# Altium PCB PCB1.PcbDoc (part 2 of 2)
Units mm, origin at the board's own origin, x right, y up, seen from the top; angles counter-clockwise.
Board outline 144.8 x 85 mm, 2 copper layers (Top Layer, Bottom Layer); 173 components, 129 nets, 564 pads, 369 vias.
Unrouted connection lines stored in the file: 2.
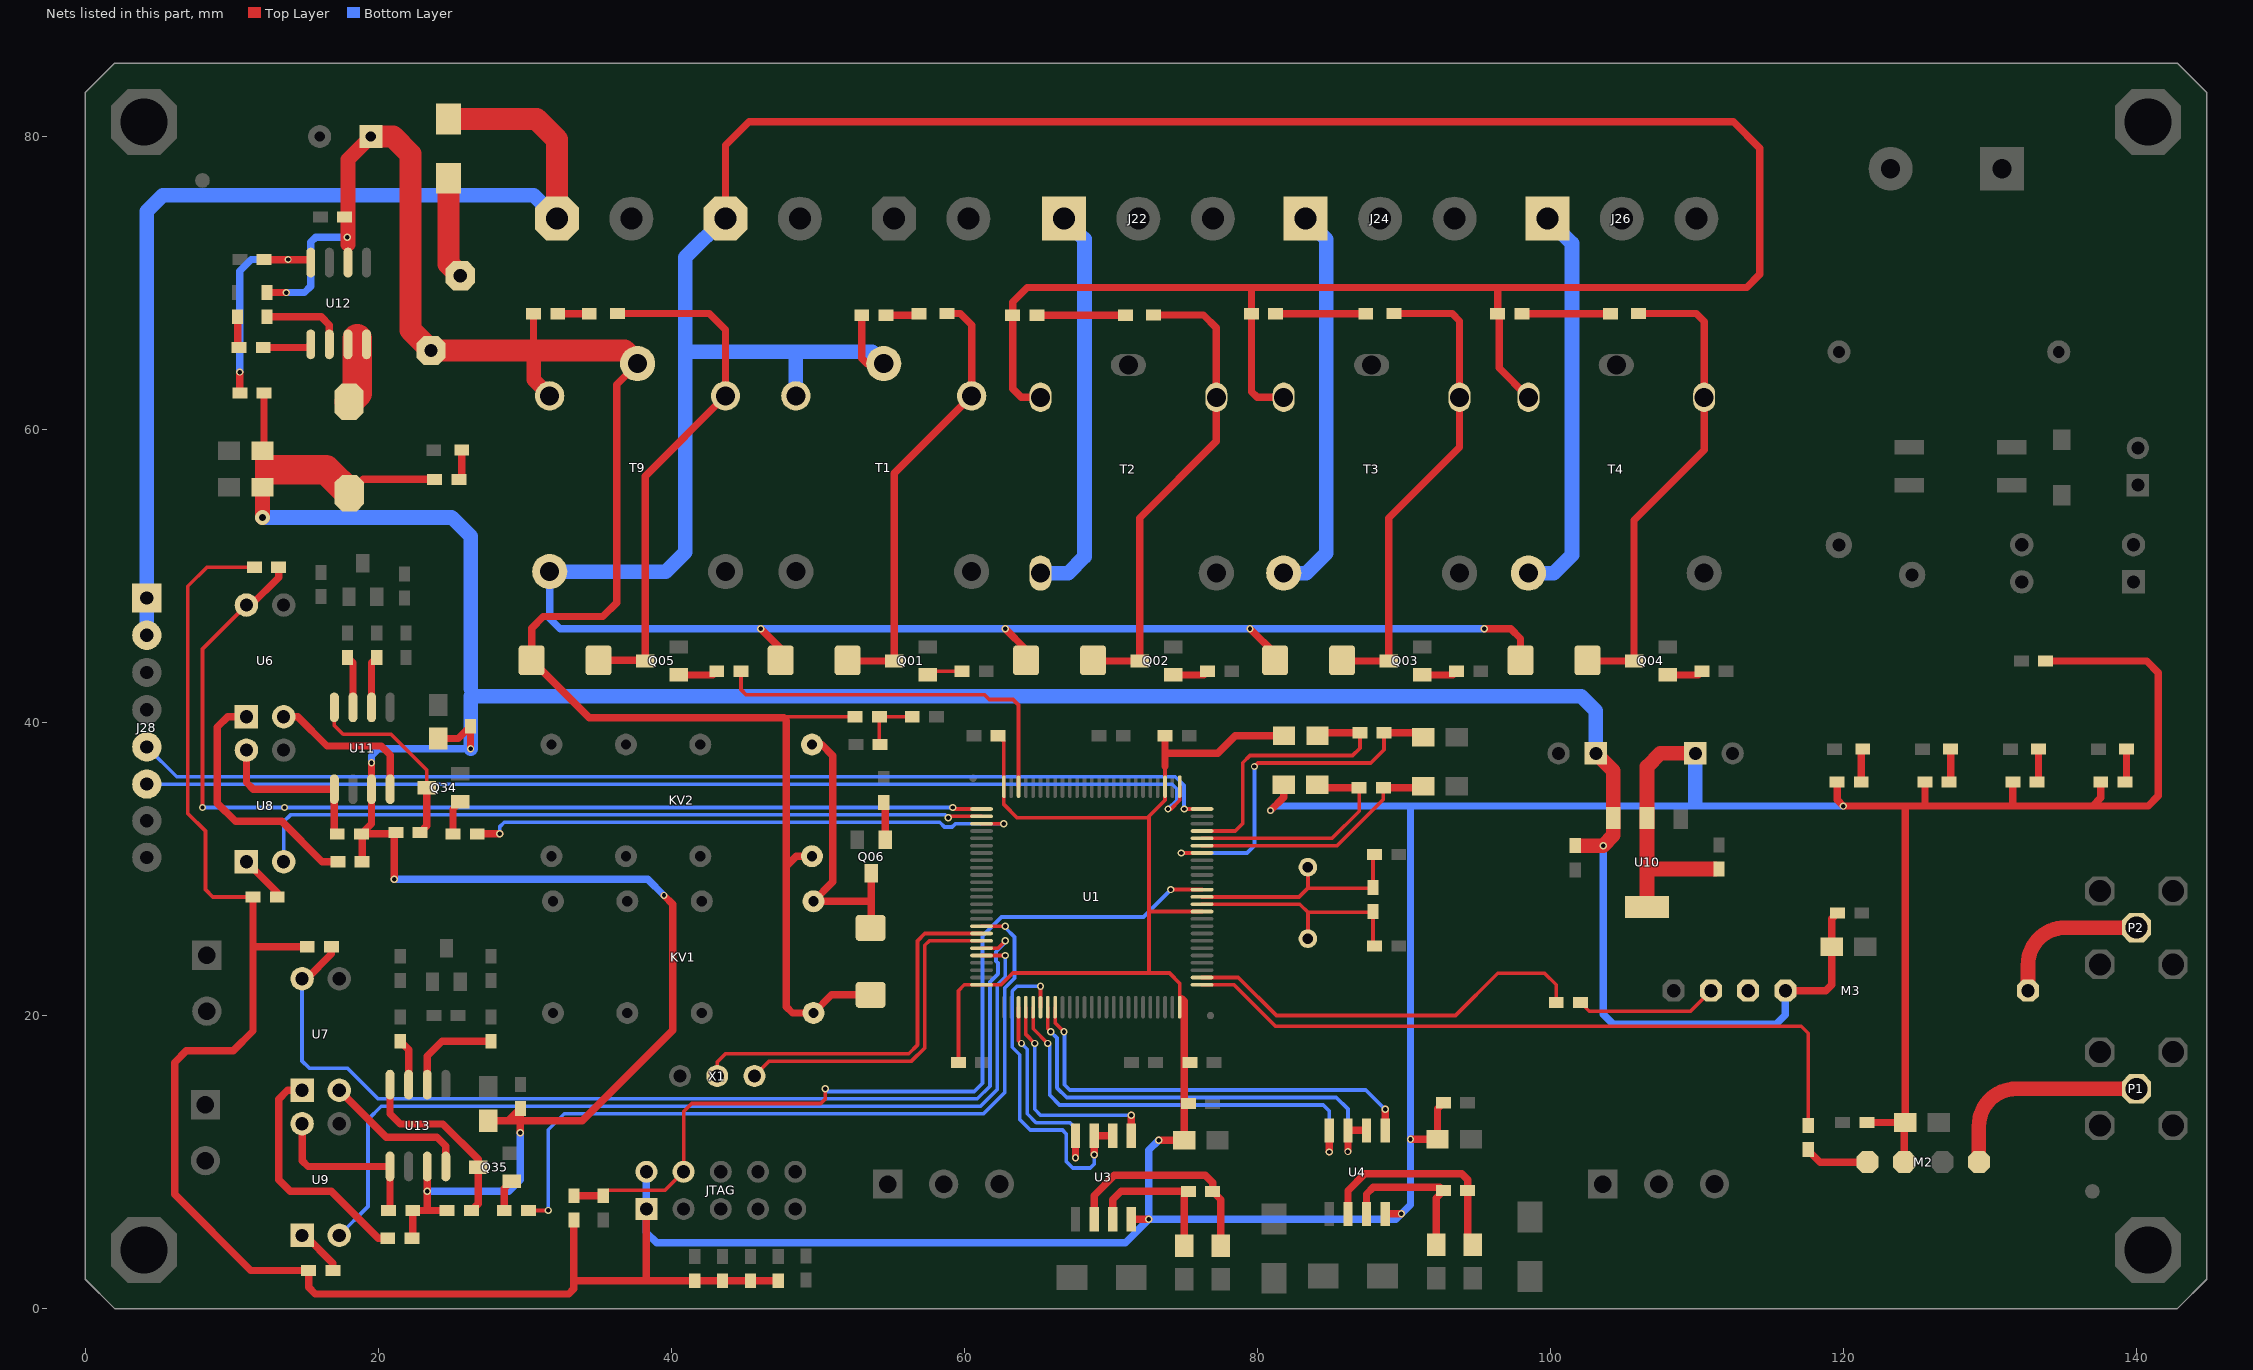
[diagram p2: the nets of this part, all layers, seen from the top]

## Via types
v1: diameter 0.5, hole 0.3, Top Layer to Bottom Layer, tented both sides, 368 vias
v2: diameter 1, hole 0.5, Top Layer to Bottom Layer, tented both sides, 1 vias

## Nets (pads, with @x,y where several pads share a name; then routed paths per layer and width w, separated by ;. In a path a pad name is that pad's centre, name@x,y a point inside that pad or via, vN(x,y) a via of type N, cw(c..) or ccw(c..) an arc to the next point about the centre after c; other vN are vias at no path point) (continued)
NetC8_1: C8.1 L1.2 U1.20 | length 17.1
  Top Layer w0.254: U1.20@76.225,31.6 85.45,31.6 88.6,34.75 C8.1@88.6,35.55
  Top Layer w0.5: C8.1@88.6,35.55 L1.2@91.214,35.55
NetC8_2: C8.2 L2.2 U1.21 | length 16
  Top Layer w0.254: U1.21@76.225,32.1 85.1,32.1 86.949,33.949 C8.2@86.949,35.55
  Top Layer w0.5: L2.2@84.086,35.75 84.286,35.55 C8.2@86.949,35.55
NetC13_1: C13.1 L3.1 U1.22 | length 19.6
  Top Layer w0.254: U1.22@76.225,32.6 78.492,32.6 79,33.108 79,37.25 79.5,37.75 86.5,37.75 87,38.25 C13.1@87,39.3
  Top Layer w0.5: L3.1@84.1,39.1 84.3,39.3 C13.1@87,39.3
NetC13_2: C13.2 L4.2 U1.19 | length 24.9
  Top Layer w0.254: v1(74.8,31.1) U1.19@76.225,31.1 ; v1(79.8,37) 80.042,37.242 87.742,37.242 88.651,38.151 C13.2@88.651,39.3
  Top Layer w0.5: C13.2@88.651,39.3 L4.2@91.014,39.3
  Bottom Layer w0.254: v1(74.8,31.1) 79.3,31.1 79.8,31.6 v1(79.8,37)
NetC44_1: C44.1 R120.2 | length 2
  Top Layer w0.5: R120.2@10.4,65.699 C44.1@10.4,67.7
NetD2_1: D2.1 R5.2 | length 2.3
  Top Layer w0.5: R5.2@121.221,35.95 121.221,38.101 D2.1@121.32,38.2
NetD3_1: D3.1 R6.2 | length 2.3
  Top Layer w0.5: R6.2@127.221,35.95 127.32,36.049 D3.1@127.32,38.2
NetD4_1: D4.1 R7.2 | length 2.3
  Top Layer w0.5: R7.2@133.221,35.95 133.32,36.049 D4.1@133.32,38.2
NetD05_1: D05.1 KV1.1 KV2.1 Q06.3 | length 19.9
  Top Layer w0.5: KV2.1@49.6,38.5 50.273,38.5 51.029,37.744 51.029,29.129 KV1.1@49.7,27.8 50.495,27.8 53.582,27.8 ; D05.1@53.6,25.986 53.648,26.033 Q06.3@53.648,29.714
NetD5_1: D5.1 R8.2 | length 2.3
  Top Layer w0.5: R8.2@139.221,35.95 139.32,36.049 D5.1@139.32,38.2
NetD15_1: D15.1 R01.2 | length 2.1
  Top Layer w0.5: R01.2@32.251,67.9 D15.1@34.4,67.9
NetD16_1: D16.1 R101.2 | length 2.1
  Top Layer w0.5: R101.2@54.651,67.8 D16.1@56.8,67.8
NetD17_1: D17.1 R102.2 | length 6
  Top Layer w0.5: R102.2@64.951,67.8 D17.1@71,67.8
NetD18_1: D18.1 R103.2 | length 6.1
  Top Layer w0.5: R103.2@81.251,67.9 D18.1@87.4,67.9
NetD19_1: D19.1 R104.2 | length 6
  Top Layer w0.5: R104.2@98.051,67.9 D19.1@104.1,67.9
NetD23_2: D23.2 F5.1 | length 7
  Top Layer w1.5: D23.2@24.8,77.15 24.8,71.3 F5.1@25.6,70.5
NetD24_1: D24.1 R131.1 | length 2.1
  Top Layer w0.5: R131.1@25.5,56.6 25.7,56.8 D24.1@25.7,58.6
NetF1_1: F1.1 R95.2 U3.6 | length 15
  Top Layer w0.5: U3.6@68.86,6.1 68.86,7.722 70.231,9.093 76.454,9.093 76.951,8.596 R95.2@76.951,8 77.5,7.451 F1.1@77.5,4.3
NetF2_1: F2.1 R95.1 U3.7 | length 10.6
  Top Layer w0.5: U3.7@70.13,6.1 70.13,7.442 70.688,8 R95.1@75.3,8 75,7.7 F2.1@75,4.3
NetF3_1: F3.1 R96.1 U4.7 | length 10.8
  Top Layer w0.5: U4.7@87.452,6.467 87.452,7.823 87.909,8.28 92.47,8.28 R96.1@92.7,8.05 92.2,7.55 F3.1@92.2,4.35
NetF4_1: F4.1 R96.2 U4.6 | length 15
  Top Layer w0.5: U4.6@86.182,6.467 86.182,8.052 87.325,9.195 93.955,9.195 94.351,8.798 R96.2@94.351,8.05 94.351,4.699 F4.1@94.7,4.35
NetL5_1: L5.1 U12.7 U12.8 | length 4.6
  Top Layer w2: L5.1@18,61.9 18.567,62.467 18.567,66.218
NetM2_1: M2.1 P1.1 | length 14.7
  Top Layer w1: M2.1@129.25,10 129.25,12.46 cw(c131.79,12.46) 131.79,15 P1.1@140,15
NetM2_4: M2.4 R03.2 | length 4.4
  Top Layer w0.5: R03.2@117.576,10.825 118.4,10 M2.4@121.65,10
NetM3_1: M3.1 P2.1 | length 10.6
  Top Layer w1: M3.1@132.6,21.7 132.6,23.46 cw(c135.14,23.46) 135.14,26 P2.1@140,26
NetM3_3: M3.3 M3.4 R04.2 | length 9.7
  Top Layer w0.254: R04.2@102.051,20.9 102.651,20.3 109.56,20.3 M3.4@110.96,21.7
NetQ01_1: Q01.1 R09.2 | length 2.5
  Top Layer w0.254: Q01.1@57.5,43.25 57.75,43.5 R09.2@59.849,43.5
NetQ02_1: Q02.1 R06.2 | length 2.5
  Top Layer w0.5: Q02.1@74.25,43.25 76.349,43.25 R06.2@76.599,43.5
NetQ03_1: Q03.1 R07.2 | length 2.5
  Top Layer w0.5: Q03.1@91.25,43.25 93.349,43.25 R07.2@93.599,43.5
NetQ04_1: Q04.1 R08.2 | length 2.5
  Top Layer w0.5: Q04.1@108,43.25 110.099,43.25 R08.2@110.349,43.5
NetQ05_1: Q05.1 R02.2 | length 2.7
  Top Layer w0.5: Q05.1@40.5,43.25 42.849,43.25 R02.2@43.099,43.5
NetQ06_1: Q06.1 R51.2 | length 2.6
  Top Layer w0.5: R51.2@54.5,34.549 54.6,34.449 Q06.1@54.6,32
NetQ34_1: Q34.1 R113.1 | length 2.4
  Top Layer w0.5: R113.1@25.1,32.4 25.1,34.1 Q34.1@25.6,34.6
NetQ34_3: Q34.3 R118.2 U11.8 | length 13.3
  Top Layer w0.254: U11.8@17,41.038 17,39.8 17.6,39.2 20.871,39.2 23.314,36.757 Q34.3@23.314,35.552
  Top Layer w0.5: R118.2@22.851,32.5 23.314,32.963 Q34.3@23.314,35.552
NetQ35_1: Q35.1 R115.1 | length 2.2
  Top Layer w0.5: R115.1@28.6,6.7 28.6,8.2 Q35.1@29.1,8.7
NetQ35_3: Q35.3 R121.2 U13.8 | length 13
  Top Layer w0.5: U13.8@20.8,15.288 20.8,13.3 21.5,12.6 24.4,12.6 26.814,10.186 Q35.3@26.814,9.653 26.814,7.163 R121.2@26.351,6.7
NetR99_1: R99.1 R100.2 R105.2 | length 4.1
  Top Layer w0.254: R100.2@54.2,38.551 R99.1@54.2,40.4 R105.2@56.449,40.4
NetR111_1: R111.1 U8.1 | length 3.3
  Top Layer w0.5: U8.1@11,30.5 13.1,28.4 R111.1@13.1,28.1
NetR114_1: R114.1 U9.1 | length 3.4
  Top Layer w0.5: U9.1@14.8,5 15,5 16.9,3.1 R114.1@16.9,2.6
NetR116_2: R116.2 U12.6 | length 5.8
  Top Layer w0.5: R116.2@12.4,67.699 16.101,67.699 16.66,67.14 U12.6@16.66,65.812
NetR117_2: R117.2 U6.1 | length 17.4
  Top Layer w0.5: U6.1@11,40.4 9.717,40.4 9.017,39.7 9.017,34.493 10.25,33.26 13.4,33.26 16.16,30.5 R117.2@17.249,30.5
NetR119_2: R119.2 U7.1 | length 16.5
  Top Layer w0.5: U7.1@14.8,14.9 13.8,14.9 13.2,14.3 13.2,8.8 14,8 16.8,8 20,4.8 R119.2@20.649,4.8
NetR120_1: R120.1 U12.5 | length 3.3
  Top Layer w0.5: R120.1@12.15,65.6 15.178,65.6 U12.5@15.39,65.812
NetR122_1: R122.1 U8.4 U11.1 | length 11.5
  Top Layer w0.5: U8.4@11,38.12 11,35.914 11.464,35.45 U11.1@17,35.45 17,32.6 R122.1@17.2,32.4
NetR123_1: R123.1 U9.4 U13.1 | length 11.7
  Top Layer w0.5: U9.4@14.8,12.62 14.8,10.1 15.2,9.7 U13.1@20.8,9.7 20.8,6.8 R123.1@20.7,6.7
NetR124_1: R124.1 R125.2 U12.4 | length 15.2
  Top Layer w0.5: R125.2@10.549,62.5 v1(10.549,63.924) ; R124.1@12.2,71.6 15.19,71.6 U12.4@15.39,71.4
  Bottom Layer w0.5: v1(10.549,63.924) 10.549,70.823 11.328,71.603 v1(13.843,71.603)
NetR126_2: R126.2 U11.7 | length 3.6
  Top Layer w0.5: R126.2@17.9,44.449 18.27,44.079 U11.7@18.27,41.038
NetR127_2: R127.2 U11.6 | length 3.6
  Top Layer w0.5: U11.6@19.54,41.038 19.54,44.089 R127.2@19.9,44.449
NetR128_2: R128.2 U13.7 | length 3.2
  Top Layer w0.5: R128.2@21.5,18.249 22.07,17.679 U13.7@22.07,15.288
NetR129_2: R129.2 U13.6 | length 6.7
  Top Layer w0.5: U13.6@23.34,15.288 23.34,17.24 24.349,18.249 R129.2@27.7,18.249
NetU6_2: U6.2 U11.4 | length 10.7
  Top Layer w0.5: U6.2@13.54,40.4 14.5,40.4 16.5,38.4 20.2,38.4 20.81,37.79 U11.4@20.81,35.45
NetU7_2: U7.2 U13.4 | length 10.2
  Top Layer w0.5: U7.2@17.34,14.9 20.54,11.7 24.01,11.7 24.61,11.1 U13.4@24.61,9.7
NO2: J22.1 T2.2 | length 27.1
  Bottom Layer w1: T2.2@65.2,50.2 67.091,50.2 68.199,51.308 68.199,73.001 J22.1@66.8,74.4
NO3: J24.1 T3.2 | length 26.9
  Bottom Layer w1: T3.2@81.8,50.2 83.347,50.2 84.709,51.562 84.709,72.991 J24.1@83.3,74.4
NO4: J26.1 T4.2 | length 27.1
  Bottom Layer w1: T4.2@98.5,50.2 100.238,50.2 101.473,51.435 101.473,72.727 J26.1@99.8,74.4
OSC_IN: C2.1 R1.1 U1.12 Y1.1 | length 16
  Top Layer w0.254: U1.12@76.225,27.6 82.9,27.6 83.45,27.05 ; Y1.1@83.45,25.25 83.45,27.05 ; R1.1@87.85,27.05 83.45,27.05 ; R1.1@87.9,27.1 87.9,24.85 C2.1@88,24.75
OSC_OUT: C3.1 R1.2 U1.13 Y1.2 | length 15.6
  Top Layer w0.254: U1.13@76.225,28.1 82.85,28.1 83.45,28.7 ; Y1.2@83.45,30.13 83.45,28.7 ; R1.2@87.849,28.7 83.45,28.7 ; R1.2@87.9,28.751 87.9,30.9 C3.1@88,31
OUT1: D01.1 D16.2 Q01.3 T1.5 | length 30.3
  Top Layer w0.5: D01.1@52.084,44.202 Q01.3@55.214,44.202 55.214,57.014 T1.5@60.5,62.3 60.5,67.135 59.719,67.916 D16.2@58.815,67.916
  Top Layer w1: D01.1@52.036,44.25 D01.1@52.084,44.202
OUT2: D02.1 D17.2 Q02.3 T2.5 | length 32.7
  Top Layer w0.5: D02.1@68.833,44.202 Q02.3@71.964,44.202 71.964,53.964 77.2,59.2 T2.5@77.2,62.2 77.2,66.945 76.329,67.816 D17.2@72.915,67.816
OUT3: D03.1 D18.2 Q03.3 T3.5 | length 33
  Top Layer w0.5: D03.1@85.834,44.202 Q03.3@88.964,44.202 88.964,53.964 93.8,58.8 T3.5@93.8,62.2 93.8,67.414 93.298,67.916 D18.2@89.315,67.916
OUT4: D04.1 D19.2 Q04.3 T4.5 | length 33.1
  Top Layer w0.5: D04.1@102.536,44.25 102.584,44.202 Q04.3@105.714,44.202 105.714,53.814 110.5,58.6 T4.5@110.5,62.2 110.5,67.376 109.96,67.916 D19.2@106.015,67.916
OUT5: D07.1 D15.2 Q05.3 T9.5 | length 35.9
  Top Layer w0.5: D07.1@35.036,44.25 Q05.3@38.166,44.25 ; D15.2@36.315,67.916 42.599,67.916 43.7,66.815 T9.5@43.7,62.3 38.214,56.814 Q05.3@38.214,44.202
"PA2  USART2_TX": J28.5 U1.25 | length 74.7
  Top Layer w0.254: v1(75,34.1) U1.25@76.225,34.1
  Bottom Layer w0.254: J28.5@4.2,38.34 6.24,36.3 74.4,36.3 75,35.7 v1(75,34.1)
"PA3  USART2_RX": J28.6 U1.26 | length 74
  Top Layer w0.254: v1(73.9,34.1) 74.1,34.1 74.7,34.7 U1.26@74.7,35.625
  Bottom Layer w0.254: J28.6@4.2,35.8 4.208,35.792 74.19,35.792 74.492,35.49 74.492,34.692 v1(73.9,34.1)
"PA9  USART1_TX": U1.68 X1.2 | length 26.8
  Top Layer w0.254: X1.2@43.136,15.876 43.136,16.836 43.7,17.4 56.2,17.4 56.8,18 56.8,25.1 57.3,25.6 U1.68@61.175,25.6
"PA10  USART1_RX": U1.69 X1.3 | length 23.4
  Top Layer w0.254: X1.3@45.676,15.876 46.692,16.892 56.4,16.892 57.3,17.792 57.3,24.8 57.6,25.1 U1.69@61.175,25.1
"PA11  CAN1_RX": R112.1 U1.70 U7.4 | length 69.5
  Top Layer w0.254: U1.70@61.175,24.6 62.3,24.6 v1(62.8,25.1)
  Top Layer w0.5: U7.4@14.8,22.52 15.12,22.52 16.8,24.2 R112.1@16.8,24.7
  Bottom Layer w0.254: U7.4@14.8,22.52 14.8,16.9 15.3,16.4 17.9,16.4 19.984,14.316 60.89,14.316 61.745,15.171 61.745,22.3 62.292,22.847 62.292,23.593 62.169,23.716 62.169,24.361 62.8,24.992 v1(62.8,25.1)
"PA12  CAN1_TX": U1.71 U9.2 | length 63.5
  Top Layer w0.254: U1.71@61.175,24.1 v1(62.8,24.1)
  Bottom Layer w0.254: U9.2@17.34,5 19.3,6.96 19.3,12.9 20.208,13.808 61.1,13.808 62.253,14.961 62.253,22.09 62.8,22.637 v1(62.8,24.1)
"PB12  CAN2_RX": R110.1 U1.51 U6.4 | length 72
  Top Layer w0.254: v1(8,34.2) 8,45.02 U6.4@11,48.02 ; v1(59.2,34.2) 59.3,34.1 U1.51@61.175,34.1
  Top Layer w0.5: U6.4@11,48.02 11.317,48.02 13.2,49.903 R110.1@13.2,50.6
  Bottom Layer w0.254: v1(8,34.2) v1(13.6,34.2) v1(59.2,34.2)
"PB13  CAN2_TX": U1.52 U8.2 | length 50.6
  Top Layer w0.254: v1@58.9,33.6 U1.52@61.175,33.6
  Bottom Layer w0.254: U8.2@13.54,30.5 13.54,33.24 14,33.7 58.7,33.7 v1(58.9,33.5)
"PC10  UART4_TX": U1.78 U3.4 | length 14.7
  Top Layer w0.254: U1.78@63.7,20.575 63.7,18.3 v1(63.9,18.1)
  Top Layer w0.5: v1(67.59,10.3) U3.4@67.59,11.8
  Bottom Layer w0.254: v1(63.9,18.1) 64.292,17.708 64.292,13.3 64.9,12.692 67.208,12.692 67.59,12.31 v1(67.59,10.3)
"PC11  UART4_RX": U1.79 U3.1 | length 15.4
  Top Layer w0.254: U1.79@64.2,20.575 64.2,18.7 v1(64.8,18.1)
  Top Layer w0.5: U3.1@71.4,11.8 v1(71.4,13.2)
  Bottom Layer w0.254: v1(64.8,18.1) 64.8,13.6 65.2,13.2 v1(71.4,13.2)
"PC12  UART5_TX": U1.80 U4.4 | length 30.3
  Top Layer w0.254: U1.80@64.7,20.575 64.7,19.1 v1(65.7,18.1)
  Top Layer w0.5: v1(84.912,10.688) U4.4@84.912,12.167
  Bottom Layer w0.254: v1(65.7,18.1) 65.823,17.977 65.823,14.577 66.5,13.9 84.5,13.9 84.912,13.488 v1(84.912,10.688)
"PD2  UART5_RX": U1.83 U4.1 | length 29.6
  Top Layer w0.254: U1.83@66.2,20.575 66.2,19.5 v1(66.8,18.9)
  Top Layer w0.5: U4.1@88.722,12.167 v1(88.722,13.6)
  Bottom Layer w0.254: v1(66.8,18.9) 66.839,18.861 66.839,15.277 67.2,14.916 87.406,14.916 v1(88.722,13.6)
POWER+12V: D01.2 D02.2 D03.2 D04.2 J02.1 R101.1 R102.1 R103.1 R104.1 T1.1 T1.4 T2.4 T3.4 T4.4 T9.2 | length 298.2
  Top Layer w0.5: J02.1@43.7,74.4 43.7,79.4 45.3,81 112.5,81 114.3,79.2 114.3,70.6 113.4,69.7 64.3,69.7 63.3,68.7 R102.1@63.3,67.8 63.3,62.786 63.886,62.2 T2.4@65.2,62.2 ; v1(46.1,46.4) 47.464,45.036 D01.2@47.464,44.25 D01.2@47.464,44.154 ; R101.1@53,67.8 53,64.856 53.356,64.5 T1.1@54.5,64.5 ; v1(62.8,46.4) 64.214,44.986 D02.2@64.214,44.25 D02.2@64.214,44.092 ; v1(79.5,46.4) 81.214,44.686 D03.2@81.214,44.25 ; 79.6,69.6 R103.1@79.6,67.9 79.6,62.589 79.989,62.2 T3.4@81.8,62.2 ; v1(95.484,46.4) 97.3,46.4 97.964,45.736 D04.2@97.964,44.25 ; 96.4,69.5 R104.1@96.4,67.9 96.5,67.8 96.5,64.2 T4.4@98.5,62.2
  Bottom Layer w0.5: T9.2@31.7,50.3 31.7,47.1 32.4,46.4 v1(46.1,46.4) v1(62.8,46.4) v1(79.5,46.4) v1(95.484,46.4)
  Bottom Layer w1: T9.2@31.7,50.3 39.607,50.3 40.945,51.638 40.945,65.303 ; J02.1@43.7,74.5 40.945,71.745 40.945,65.303 ; T1.4@48.5,62.3 48.5,65.162 ; T1.1@54.5,64.5 53.697,65.303 40.945,65.303
POWER/ON/OFF: R02.1 U1.48 | length 26.2
  Top Layer w0.254: R02.1@44.75,43.5 44.75,42.25 45.1,41.9 61.38,41.9 61.7,41.58 63.322,41.58 63.7,41.202 U1.48@63.7,35.625
PX.Y1: R115.2 U1.67 | length 52.6
  Top Layer w0.254: R115.2@30.251,6.7 v1(31.6,6.7) ; U1.67@61.175,26.1 v1(62.8,26.1)
  Bottom Layer w0.254: v1(31.6,6.7) 31.6,12.2 32.7,13.3 61.31,13.3 62.761,14.751 62.761,21.879 63.431,22.549 63.431,25.361 62.8,25.992 v1(62.8,26.1)
PX.Y2: R113.2 U1.53 | length 38.3
  Top Layer w0.254: U1.53@61.175,33.1 v1(62.7,33.1)
  Top Layer w0.5: R113.2@26.751,32.4 v1(28.3,32.4)
  Bottom Layer w0.254: v1(28.3,32.4) 28.3,32.9 28.592,33.192 58.316,33.192 58.639,32.869 59.161,32.869 59.392,33.1 v1(62.7,33.1)
R_DAT: R04.1 U1.2 | length 28
  Top Layer w0.254: U1.2@76.225,22.6 78.7,22.6 81.3,20 93.518,20 96.41,22.892 99.608,22.892 100.4,22.1 R04.1@100.4,20.9
RESET: C38.2 JTAG.4 R97.1 U1.14 | length 60.4
  Top Layer w0.254: C38.2@35.35,7.701 35.726,8.077 39.577,8.077 JTAG.4@40.84,9.34 40.84,13.44 41.4,14 50.2,14 50.5,14.3 v1(50.5,15) ; v1(74.1,28.6) U1.14@76.225,28.6
  Top Layer w0.5: R97.1@33.35,7.7 C38.2@35.35,7.701
  Bottom Layer w0.254: v1(50.5,15) 50.676,14.824 60.679,14.824 61.237,15.382 61.237,25.429 62.539,26.731 72.231,26.731 v1(74.1,28.6)
RS485_RE4: U1.81 U3.2 U3.3 | length 23.3
  Top Layer w0.254: U1.81@65.2,20.575 v1(65.2,22)
  Top Layer w0.5: v1(68.86,10.5) U3.3@68.86,11.8 U3.2@70.13,11.8
  Bottom Layer w0.254: v1(65.2,22) 63.6,22 63.269,21.669 63.269,17.839 63.784,17.324 63.784,12.9 64.5,12.184 66.698,12.184 66.959,11.923 66.959,10.039 67.398,9.6 68.6,9.6 68.86,9.86 v1(68.86,10.5)
RS485_RE5: U1.82 U4.2 U4.3 | length 31.8
  Top Layer w0.254: U1.82@65.7,20.575 65.7,19.1 v1(65.9,18.9)
  Top Layer w0.5: v1(86.182,10.718) U4.3@86.182,12.167 U4.2@87.452,12.167
  Bottom Layer w0.254: v1(65.9,18.9) 66.331,18.469 66.331,15.067 66.99,14.408 85.392,14.408 86.182,13.618 v1(86.182,10.718)
T_DAT: R03.1 U1.1 | length 49
  Top Layer w0.254: U1.1@76.225,22.1 78.4,22.1 81.231,19.269 117.131,19.269 117.6,18.8 R03.1@117.6,12.5
VCC: D23.1 J01.1 J28.1 J28.2 | length 71.3
  Top Layer w1.5: D23.1@24.8,81.2 30.8,81.2 32.2,79.8 J01.1@32.2,74.5
  Bottom Layer w1: J28.2@4.2,45.96 J28.1@4.2,48.5 4.2,74.9 5.3,76 30.6,76 J01.1@32.2,74.4
VCC+3.3V: C1.1 C4.1 C5.1 C9.2 C11.1 C34.1 C35.1 C36.1 C37.1 C39.1 C45.1 C46.1 JTAG.1 JTAG.2 L2.1 L3.2 M2.3 R5.1 R6.1 R7.1 R8.1 R10.1 R91.1 R92.1 R93.1 R97.2 R98.1 R110.2 R111.2 R112.2 R114.2 U1.11 U1.28 U1.50 U1.75 U1.100 U3.8 U4.8 U10.2 U10.4 | length 421.5
  Top Layer w0.254: R111.2@11.449,28.1 8.7,28.1 8.2,28.6 8.2,32.6 7,33.8 7,49.3 8.3,50.6 R110.2@11.549,50.6 ; C1.1@59.6,16.8 59.6,21.7 60,22.1 U1.75@61.175,22.1 62.5,22.1 63.3,22.9 74,22.9 74.708,22.192 U1.100@74.708,20.575 ; C5.1@62.3,39.1 62.7,38.7 U1.50@62.7,35.625 62.7,34.4 63.6,33.5 72.5,33.5 73.7,34.7 U1.28@73.7,35.625 73.7,37.24 ; 72.6,22.9 72.6,33.6 ; 72.6,27.1 U1.11@76.225,27.1
  Top Layer w0.5: R111.2@11.449,28.1 11.449,18.949 10.1,17.6 6.9,17.6 6.1,16.8 6.1,7.8 11.3,2.6 R114.2@15.249,2.6 15.249,1.451 15.7,1 33,1 33.35,1.35 R97.2@33.35,6.049 ; 11.7,24.7 R112.2@15.149,24.7 ; 33.35,1.9 R91.1@41.6,1.9 R98.1@43.5,1.9 R92.1@45.4,1.9 R93.1@47.3,1.9 ; 38.3,1.9 JTAG.1@38.3,6.8 ; U3.8@71.4,6.1 v1(72.597,6.1) ; v1(73.273,11.5) C34.1@75,11.5 75,21 74.829,21.171 ; 73.7,37 73.7,38 ; 73.7,38.7 73.7,38 ; v1(80.9,34) 81.8,34.9 L2.1@81.8,35.75 ; L3.2@81.814,39.1 78.5,39.1 77.3,37.9 73.8,37.9 73.7,38 ; U4.8@88.722,6.467 v1(89.833,6.467) ; v1(90.45,11.55) C36.1@92.3,11.55 92.3,13.65 C37.1@92.7,14.05 ; R5.1@119.57,35.95 119.57,34.73 v1(120,34.3) 137,34.3 ; C11.1@121.6,12.7 C9.2@124.15,12.7 ; M2.3@124.15,10 C9.2@124.15,12.65 ; C9.2@124.214,12.7 124.214,34.186 ; 125.57,34.43 R6.1@125.57,35.95 ; 131.57,34.33 R7.1@131.57,35.95 ; R10.1@133.8,44.2 140.7,44.2 141.5,43.4 141.5,35 140.8,34.3 137,34.3 ; R8.1@137.57,35.95 137.57,34.87 137,34.3
  Top Layer w1: U10.4@106.6,27.404 U10.2@106.6,33.5 106.6,37 107.5,37.9 C45.1@109.9,37.9 ; 106.6,30 C46.1@111.25,30
  Bottom Layer w0.5: JTAG.2@38.3,9.34 JTAG.1@38.3,6.8 38.3,5.2 39,4.5 70.997,4.5 v1(72.597,6.1) ; v1(73.273,11.5) 72.597,10.824 v1(72.597,6.1) ; v1(80.9,34) 81.2,34.3 90.45,34.3 ; v1(120,34.3) 90.45,34.3 ; v1(72.597,6.1) 89.467,6.1 v1(89.833,6.467) 90.45,7.083 v1(90.45,11.55) 90.45,34.3
  Bottom Layer w1: 109.9,34.6 C45.1@109.9,37.9
VCC+5V: C12.1 C15.1 C40.1 C42.1 C47.1 C48.2 C49.2 C50.1 C51.2 C52.2 L5.2 M3.2 R117.1 R118.1 R119.1 R121.1 R122.2 R123.2 R125.1 R131.2 U10.3 U11.3 U13.3 | length 260
  Top Layer w0.5: C50.1@12.1,58.55 12.2,58.65 R125.1@12.2,62.5 ; L5.2@18.026,55.661 18.964,56.6 R131.2@23.849,56.6 ; R117.1@18.9,30.5 R122.2@18.9,32.351 ; v1(19.54,37.26) U11.3@19.54,35.45 19.54,33.089 R122.2@18.851,32.4 R118.1@21.1,32.4 ; v1(21.1,29.3) R118.1@21.1,32.4 ; R118.1@21.2,32.5 R118.1@21.1,32.4 ; R119.1@22.351,4.851 R123.2@22.351,6.7 R121.1@24.7,6.7 ; 23.34,6.84 v1(23.34,8) U13.3@23.34,9.7 ; C48.2@24.1,38.914 25.465,38.914 C51.2@26.3,39.749 v1(26.3,38.216) ; C49.2@27.5,12.814 28.865,12.814 ; v1(29.7,12) 29.7,12.814 ; v1(39.5,28.2) 40.1,27.6 40.1,19 33.914,12.814 29.7,12.814 ; M3.2@116.04,21.7 118.8,21.7 119.2,22.1 C12.1@119.2,24.7 119.2,26.6 C15.1@119.6,27 ; 28.865,12.814 C52.2@29.7,13.649 29.7,12.814 ; 28.865,12.814 29.7,12.814
  Top Layer w1: v2(12.1,54) C47.1@12.1,56.05 C50.1@12.1,58.55 ; C42.1@102,31.6 v1(103.6,31.6) 104.3,32.3 U10.3@104.3,33.5 104.3,36.7 C40.1@103.1,37.9
  Top Layer w2: 12.7,57.252 16.436,57.252 L5.2@18.026,55.661
  Bottom Layer w0.5: v1(19.54,37.26) 19.54,37.74 20.016,38.216 v1(26.3,38.216) ; v1(21.1,29.3) 38.4,29.3 v1(39.5,28.2) ; v1(23.34,8) 28.9,8 29.7,8.8 v1(29.7,12) ; v1(103.6,31.6) 103.6,20.1 104.3,19.4 115.4,19.4 116.04,20.04 M3.2@116.04,21.7
  Bottom Layer w1: v2(12.1,54) 25,54 26.3,52.7 26.3,42.3 ; v1(26.3,38.216) 26.3,41.8 ; 26.4,41.8 102.1,41.8 103.1,40.8 C40.1@103.1,37.9
VCC+12V: C41.1 C43.1 D05.2 D07.2 F5.2 KV1.16 KV2.16 R01.1 R99.2 R116.1 T9.1 T9.4 U12.2 | length 133.1
  Top Layer w0.254: 47.9,40.4 R99.2@52.549,40.4
  Top Layer w0.5: R116.1@12.4,69.35 v1(13.724,69.35) ; U12.2@17.93,71.4 17.93,72.63 ; 30.6,65.4 R01.1@30.6,67.9 ; T9.1@37.7,64.5 36.271,63.071 36.271,48.184 35.331,47.244 31.267,47.244 30.464,46.441 D07.2@30.464,44.25 34.392,40.322 47.678,40.322 47.75,40.25 47.854,40.146 47.854,35.746 47.854,30.201 ; KV2.16@49.6,30.88 48.533,30.88 47.854,30.201 ; D05.2@53.6,21.414 50.934,21.414 KV1.16@49.7,20.18 48.273,20.18 47.854,20.599 47.854,30.201
  Top Layer w1: 17.93,72.63 17.93,78.43 C41.1@19.5,80 ; 30.6,65.4 30.6,63.4 T9.4@31.7,62.3
  Top Layer w1.5: C41.1@19.5,80 21,80 22.2,78.8 22.2,66.8 F5.2@23.6,65.4 30.6,65.4 36.8,65.4 T9.1@37.7,64.5
  Bottom Layer w0.5: v1(13.724,69.35) 14.969,69.35 15.392,69.774 15.392,72.796 15.723,73.127 v1(17.882,73.127)
pads on no net: JTAG.8 KV2.4 KV2.6 KV2.8 KV2.11 T1.3 T9.3 U1.6 U1.8 U1.9 U1.15 U1.16 U1.17 U1.18 U1.23 U1.24 U1.29 U1.30 U1.31 U1.32 U1.35 U1.36 U1.38 U1.39 U1.40 U1.41 U1.42 U1.43 U1.55 U1.56 U1.57 U1.58 U1.59 U1.60 U1.61 U1.62 U1.63 U1.64 U1.65 U1.66 U1.73 U1.84 U1.85 U1.86 U1.87 U1.88 U1.91 U1.92 U1.93 U1.95 U1.96 U1.97 U1.98 U11.5 U13.5
copper on no net: | length 18.6
  Top Layer w0.254: 21.9,44.449 22.749,43.6 27.026,43.6 28.654,41.972 28.654,35.046 v1(31.4,32.3)

## Polygon pours and split planes (outlines as drawn)
GND on Top Layer "Top Layer-No Net" (solid, pour order 2): 3,84 1,82 1,80 1,3 3,1 6,1 142,1 144,3 144,6 144,82 142,84
GND on Bottom Layer "Top Layer-No Net" (solid, pour order 4): 3,84 1,82 1,3 3,1 7,1 142,1 144,3 144,6 144,82 142,84
485_A4 on Bottom Overlay "Top Layer-No Net" (solid): 63.5,84 62.5,83 62.5,47.5 64,46 104.5,46 142.5,46 144,47.5 144,50 144,82 142,84

## Other copper
Top Layer:
  pour cut-out: 142,84 144,82 144,47 143,46 63.8,46 62.6,47.2 62.6,83.2 63.4,84
Bottom Layer:
  pour cut-out: 142,84 144,82 144,47 143,46 63.8,46 62.6,47.2 62.6,83.2 63.4,84

## Silkscreen, mask and mechanical layers (free items; w line width, h text height)
Top Overlay:
  rectangle: 14.249,57.353 21.743,60.274
  lines w0.1: 41.95,12.5 41.95,14.15 ; 44.45,12.5 44.45,14.15 ; 39.2,12.5 47.2,12.5 47.2,14.15 39.2,14.15 39.2,12.5 ; 137,62.7 137.4,62.3 142,62.3 142.4,62.7 142.4,76.8 141.9,77.3 137.5,77.3 137,76.8 137,62.7
  lines w0.15: 7,32.1 9.4,32.1 ; 7,34.6 9.4,34.6 ; 7,37.3 9.4,37.3 ; 7,40 9.4,40 ; 7,44.7 9.4,44.7 ; 10,12 12.5,12 ; 10.2,22.2 12.6,22.2 ; 34.775,69.5 34.775,72 ; 46.25,69.531 46.25,72.031 ; 56.3,10.3 56.3,12.7 ; 57.722,69.561 57.722,72.061 ; 60.2,10.3 60.2,12.7 ; 69.422,69.361 69.422,71.861 ; 74.422,69.261 74.422,71.761 ; 85.9,69.407 85.9,71.907 ; 90.9,69.407 90.9,71.907 ; 102.522,69.453 102.522,71.953 ; 105.1,10.3 105.1,12.7 ; 107.522,69.453 107.522,71.953 ; 109,10.3 109,12.7 ; 119.3,67.848 119.3,70.5 134.6,70.5 134.6,67.878 119.35,67.878 ; 127,67.9 127,70.4 ; 6.95,29.6 9.45,29.6 9.45,49.9 6.95,49.9 6.95,29.6 ; 10.05,7.7 12.55,7.7 12.55,16.228 10.05,16.228 10.05,7.7 ; 10.15,18 10.15,26.428 12.65,26.428 12.65,18 10.15,18 ; 29.65,69.5 29.65,72 39.9,72 39.9,69.5 29.65,69.5 ; 41.15,69.531 51.35,69.531 51.35,72.031 41.15,72.031 41.15,69.531 ; 52.472,10.25 64.7,10.25 64.7,12.75 52.472,12.75 52.472,10.25 ; 52.622,69.561 62.922,69.561 62.922,72.061 52.622,72.061 52.622,69.561 ; 64.222,69.361 79.522,69.361 79.522,71.861 64.222,71.861 64.222,69.361 ; 80.8,69.407 96,69.407 96,71.907 80.8,71.907 80.8,69.407 ; 97.222,69.453 112.622,69.453 112.622,71.953 97.222,71.953 97.222,69.453 ; 101.272,10.25 113.5,10.25 113.5,12.75 101.272,12.75 101.272,10.25
  lines w0.5: 114.3,47.5 114.3,83 115.4,84.1 142.2,84.1 143.9,82.4 143.9,47.6 142.4,46.1 115.7,46.1 114.3,47.5
  lines w1: 72,46.6 72,54 77.2,59.2 77.2,60.7 ; 77.2,63.7 77.2,65.8 ; 88.9,46.7 88.9,53.9 93.8,58.8 93.8,60.7 ; 93.8,63.7 93.8,65.8 ; 105.7,46.6 105.7,53.8 110.5,58.6 110.5,60.7 ; 110.5,63.7 110.5,65.7
  lines w1.5: 81.9,23.4 81.9,31.8 ; 85,23.4 85,31.8
  lines w1.52: 43.7,76.7 43.7,79.4 45.3,81 111.9,81
  text "高压危险" at 138.7,76.4 h3.5 r270
  text "VO" at 44.9,71.7 h2.5 r180
  text "GND" at 50.6,71.7 h2.5 r180
  text "ALM" at 57.1,71.7 h2.5 r180
  text "GND" at 62.1,71.7 h2.5 r180
  text "VIN" at 34.1,71.6 h2.5 r180
  text "GND" at 39.1,71.6 h2.5 r180
  text "NC4" at 101.6,71.6 h2.5 r180
  text "COM" at 106.8,71.6 h2.5 r180
  text "NC4" at 111.9,71.6 h2.5 r180
  text "NO2" at 68.6,71.5 h2.5 r180
  text "COM" at 73.6,71.5 h2.5 r180
  text "NC2" at 78.8,71.5 h2.5 r180
  text "NC3" at 85.1,71.5 h2.5 r180
  text "COM" at 90.1,71.5 h2.5 r180
  text "NC3" at 95.3,71.5 h2.5 r180
  text "L_IN" at 125.5,69.9 h2.5 r180
  text "N_IN" at 133,69.9 h2.5 r180
  text "VIN" at 7.3,49.3 h2.5 r270
  text "GND" at 7.3,44.1 h2.5 r270
  text "TX" at 7.3,39.8 h2.5 r270
  text "RX" at 7.3,37 h2.5 r270
  text "H" at 7.4,33.8 h2.5 r270
  text "elin technology" at 115.1,31.8 h4
  text "L" at 7.4,31.1 h2.5 r270
  text "BUS Actuator V1.0" at 116.7,29.3 h2.5
  text "20150323" at 124.3,27 h2
  text "HIN" at 10.7,25.8 h2 r270
  text "LIN" at 10.7,21.5 h2 r270
  text "HOUT" at 10.6,16 h2 r270
  text "GN" at 39.8,12.8 h1.5
  text "TX" at 42.5,12.8 h1.5
  text "RX" at 45.2,12.8 h1.5
  text "LOUT" at 10.6,11.7 h2 r270
  text "A1" at 53.6,10.6 h2.5
  text "GND" at 60.7,10.6 h2.5
  text "A2" at 102,10.6 h2.5
  text "B2" at 106,10.6 h2.5
  text "GND" at 109.5,10.6 h2.5
  text "B1" at 57.5,10.5 h2.5
Bottom Overlay:
  lines w1.5: 76.96,74.36 76.96,74.4 ; 99.8,74.4 99.8,74.4
  lines w1.52: 76.88,74.38 76.94,74.38 76.96,74.4 ; 76.96,74.4 76.96,74.4
Mechanical 1:
  lines w0.1: 63,48.4 ccw(c63.45,48.45) 63.9,48.4 63.9,51.8 ccw(c63.45,51.75) 63,51.8 63,48.4 ; 64.2,47 cw(c64.25,47.45) 64.2,47.9 67.6,47.9 cw(c67.55,47.45) 67.6,47 64.2,47 ; 66.3,60.5 ccw(c66.75,60.55) 67.2,60.5 67.2,63.9 ccw(c66.75,63.85) 66.3,63.9 66.3,60.5 ; 75.2,47 cw(c75.25,47.45) 75.2,47.9 78.6,47.9 cw(c78.55,47.45) 78.6,47 75.2,47 ; 75.2,60.3 ccw(c75.65,60.35) 76.1,60.3 76.1,63.7 ccw(c75.65,63.65) 75.2,63.7 75.2,60.3 ; 80.4,47 cw(c80.45,47.45) 80.4,47.9 83.8,47.9 cw(c83.75,47.45) 83.8,47 80.4,47 ; 82.9,60.4 ccw(c83.35,60.45) 83.8,60.4 83.8,63.8 ccw(c83.35,63.75) 82.9,63.8 82.9,60.4 ; 91.8,47 cw(c91.85,47.45) 91.8,47.9 95.2,47.9 cw(c95.15,47.45) 95.2,47 91.8,47 ; 91.8,60.4 ccw(c92.25,60.45) 92.7,60.4 92.7,63.8 ccw(c92.25,63.75) 91.8,63.8 91.8,60.4 ; 97.1,47 cw(c97.15,47.45) 97.1,47.9 100.5,47.9 cw(c100.45,47.45) 100.5,47 97.1,47 ; 99.6,60.4 ccw(c100.05,60.45) 100.5,60.4 100.5,63.8 ccw(c100.05,63.75) 99.6,63.8 99.6,60.4 ; 108.5,46.9 cw(c108.55,47.35) 108.5,47.8 111.9,47.8 cw(c111.85,47.35) 111.9,46.9 108.5,46.9 ; 108.5,60.4 ccw(c108.95,60.45) 109.4,60.4 109.4,63.8 ccw(c108.95,63.75) 108.5,63.8 108.5,60.4
  lines w0.254: 128.6,48.4 119.2,48.4 ccw(c119.45,47.65) 119.2,46.9 128.65,46.9 ccw(c128.4,47.65) 128.65,48.4 ; 0,2 0,83 2,85 142.8,85 144.8,83 144.8,2 142.8,0 2,0 0,2 ; 115.3,48 ccw(c116.05,48.25) 116.8,48 116.8,82.5 ccw(c116.05,82.25) 115.3,82.5 115.3,82 115.3,48 ; 126.2,76.3 ccw(c126.95,76.55) 127.7,76.3 127.7,79.7 ccw(c126.95,79.762) 126.2,79.7 126.2,76.3 ; 135.1,48 ccw(c135.85,48.25) 136.6,48 136.6,48.5 136.6,53.6 ccw(c135.85,53.35) 135.1,53.6 135.1,48

## Text inside footprints (layer, text, board x,y; h text height)
BR1: Top Overlay "-" at 129.607,59.234 h1 r180; Top Overlay "+" at 129.595,55.686 h1 r90